# Altium PCB mantarray_beta_drv425_Mounting_Holes.PcbDoc (part 1 of 5)
Units mm, origin at the board's own origin, x right, y up, seen from the top; angles counter-clockwise.
Board outline 158.05 x 258 mm, 8 copper layers (Top Layer, GND1, Signal 1, GND2, DVDD, PWR, AVDD, GND3), stack 1.61 mm thick; 318 components, 274 nets, 1474 pads, 756 vias.
Unrouted connection lines stored in the file: 18.
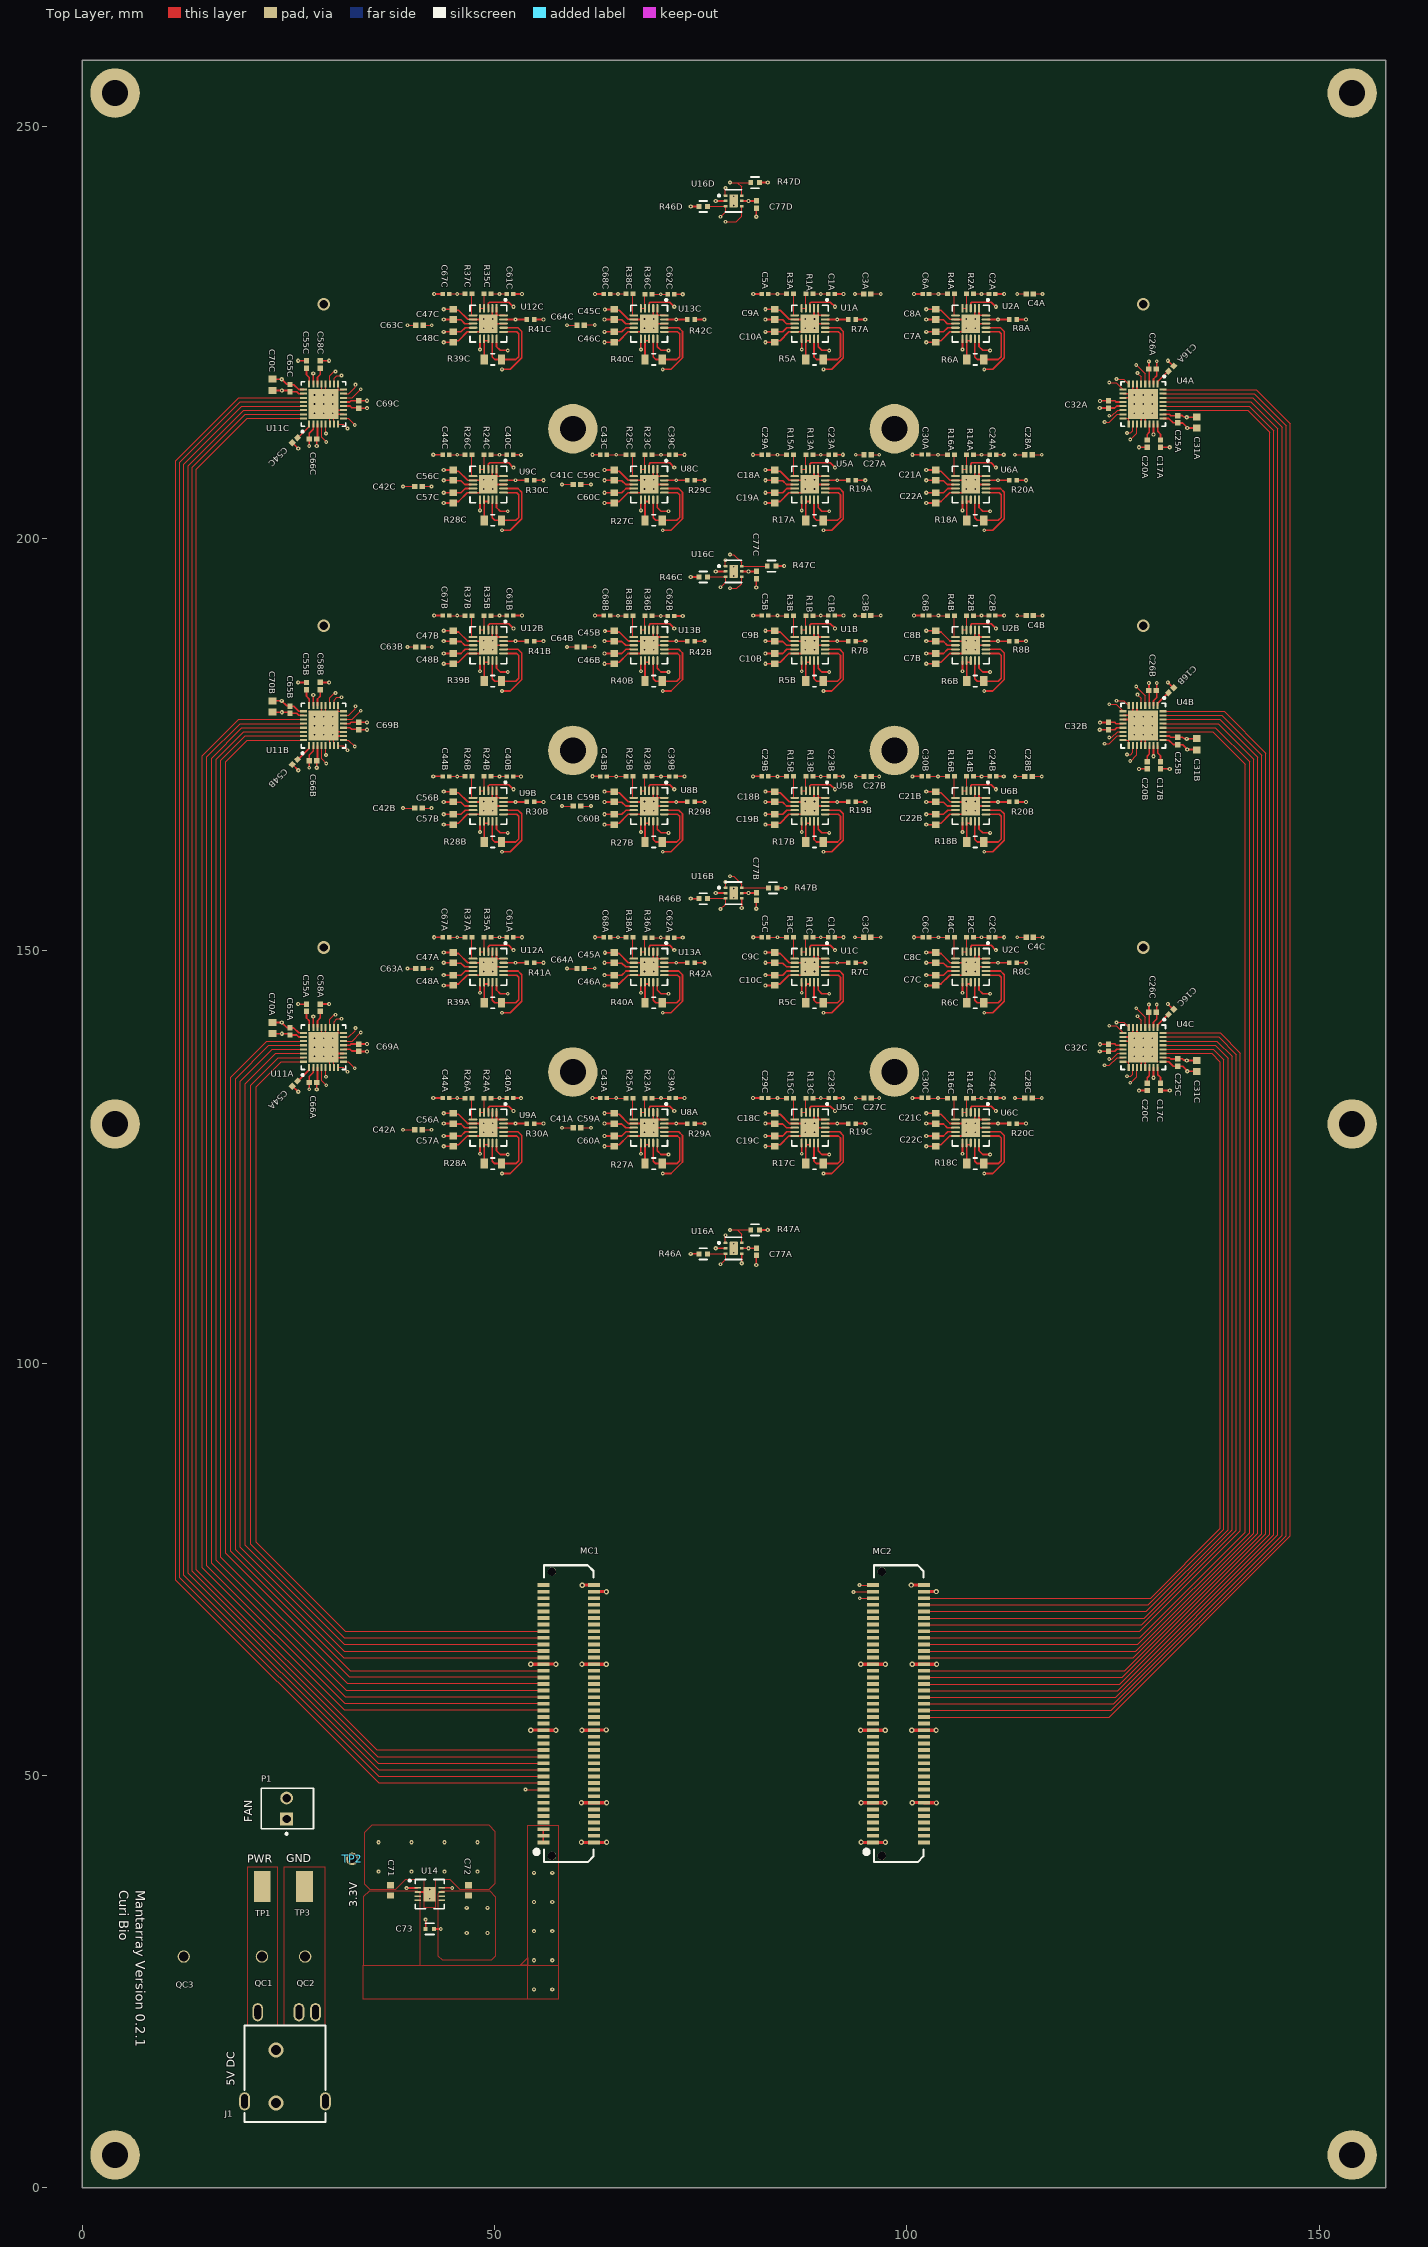
[diagram p0: Top Layer view]
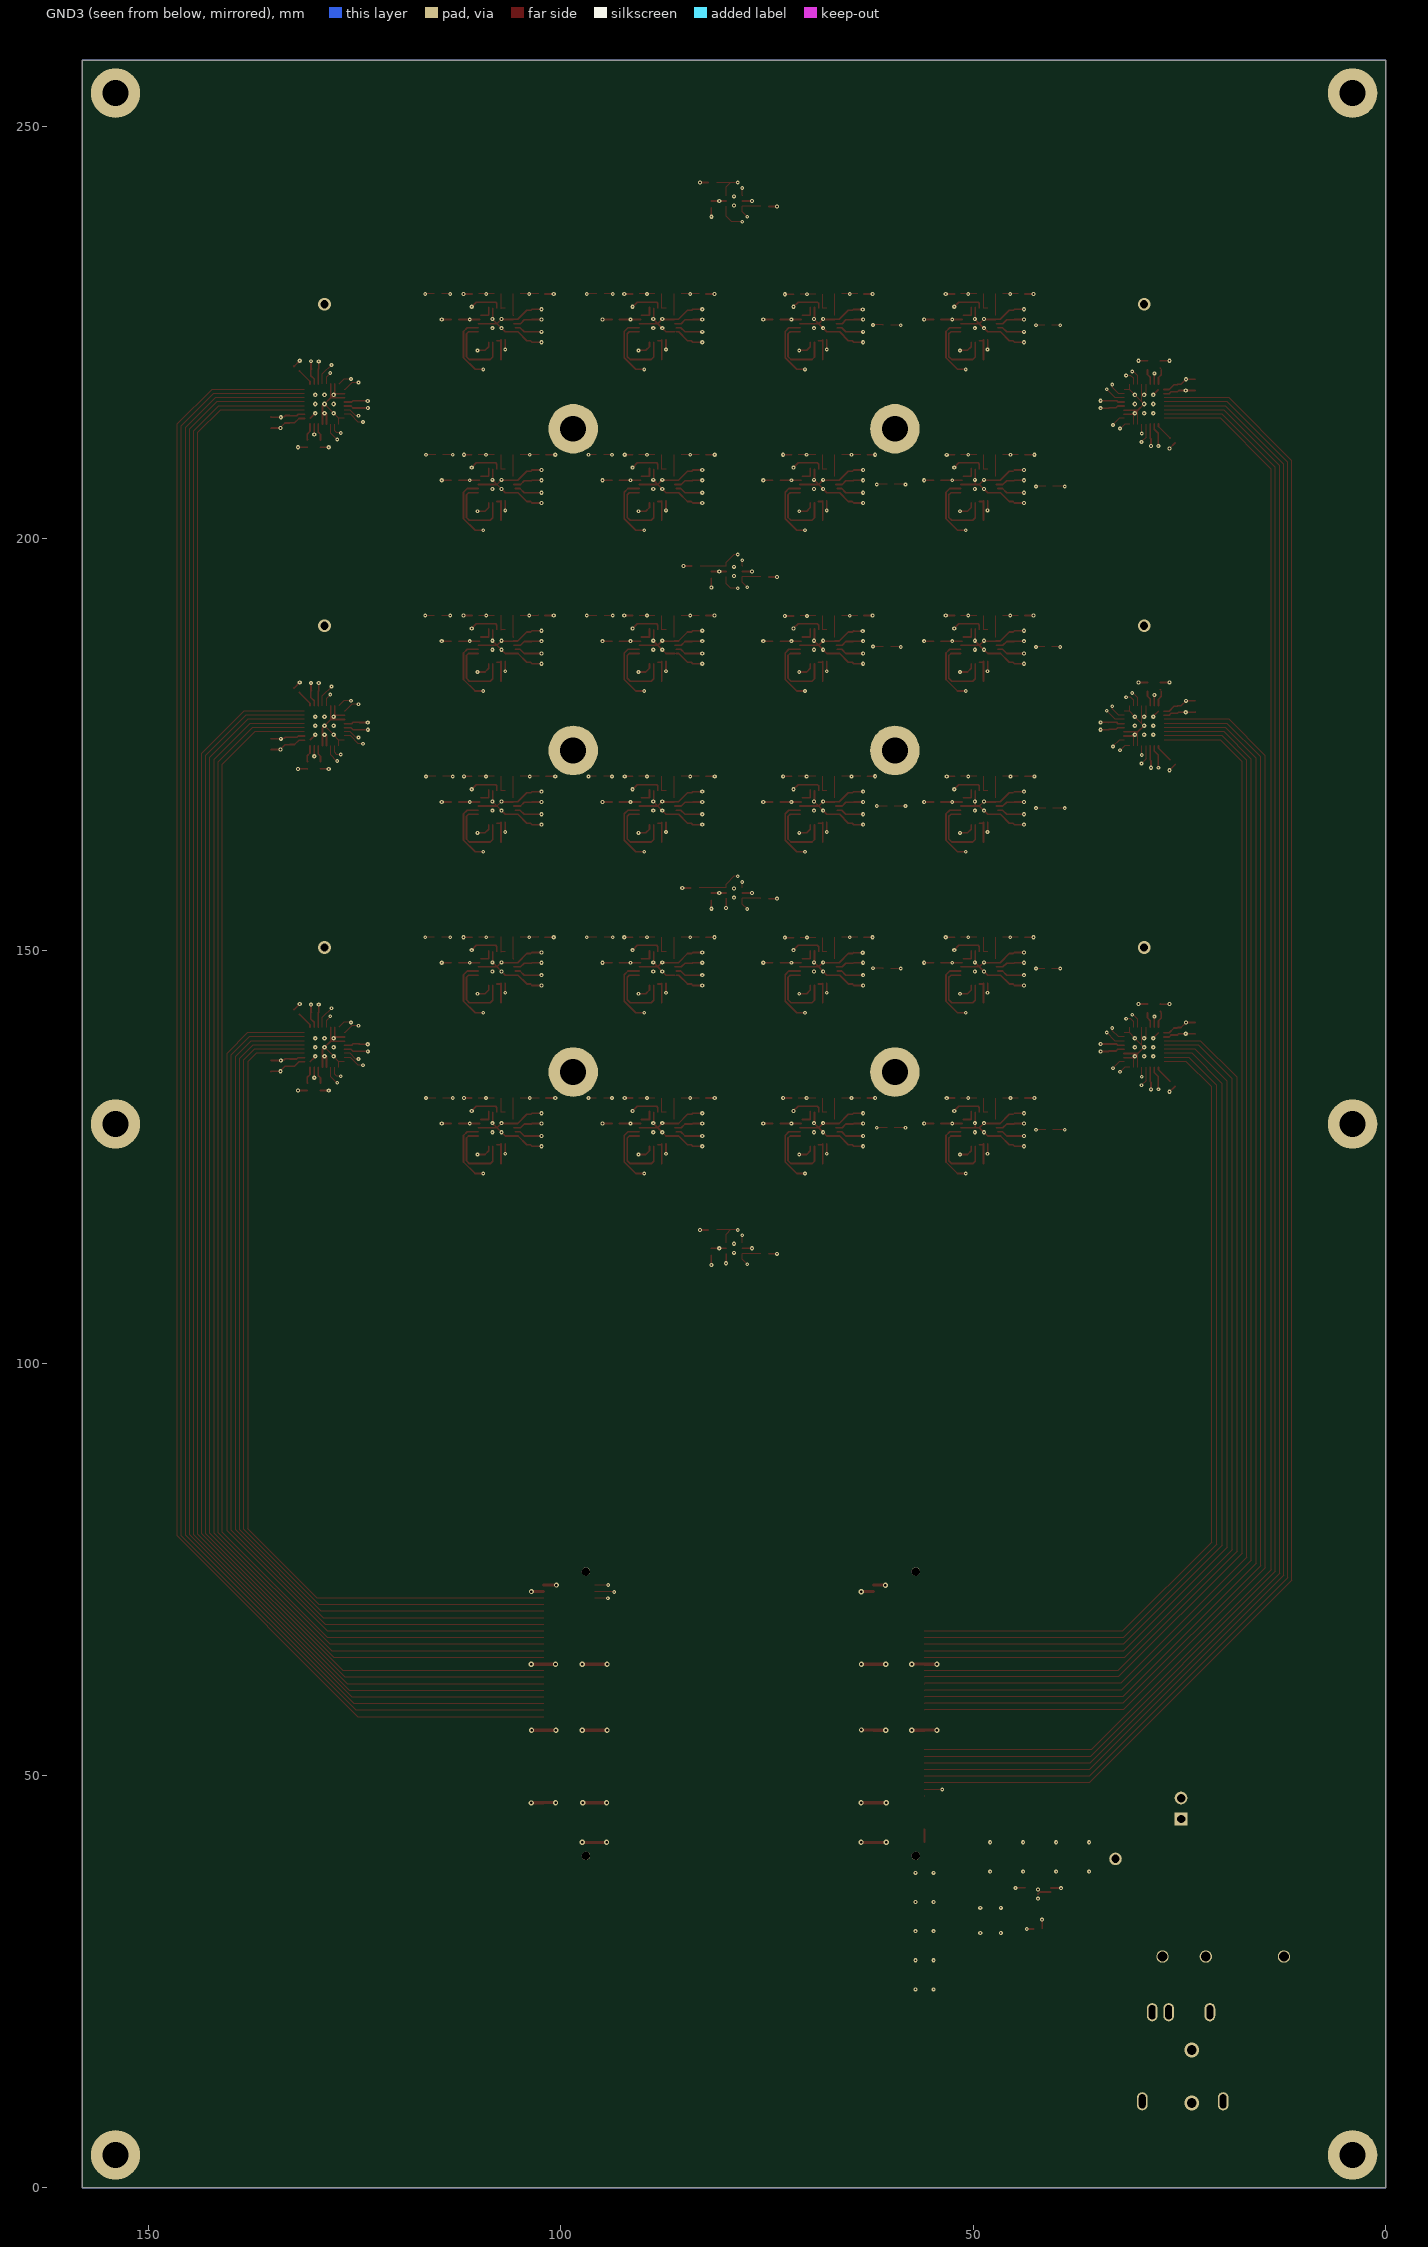
[diagram p1: GND3 view, seen from below]
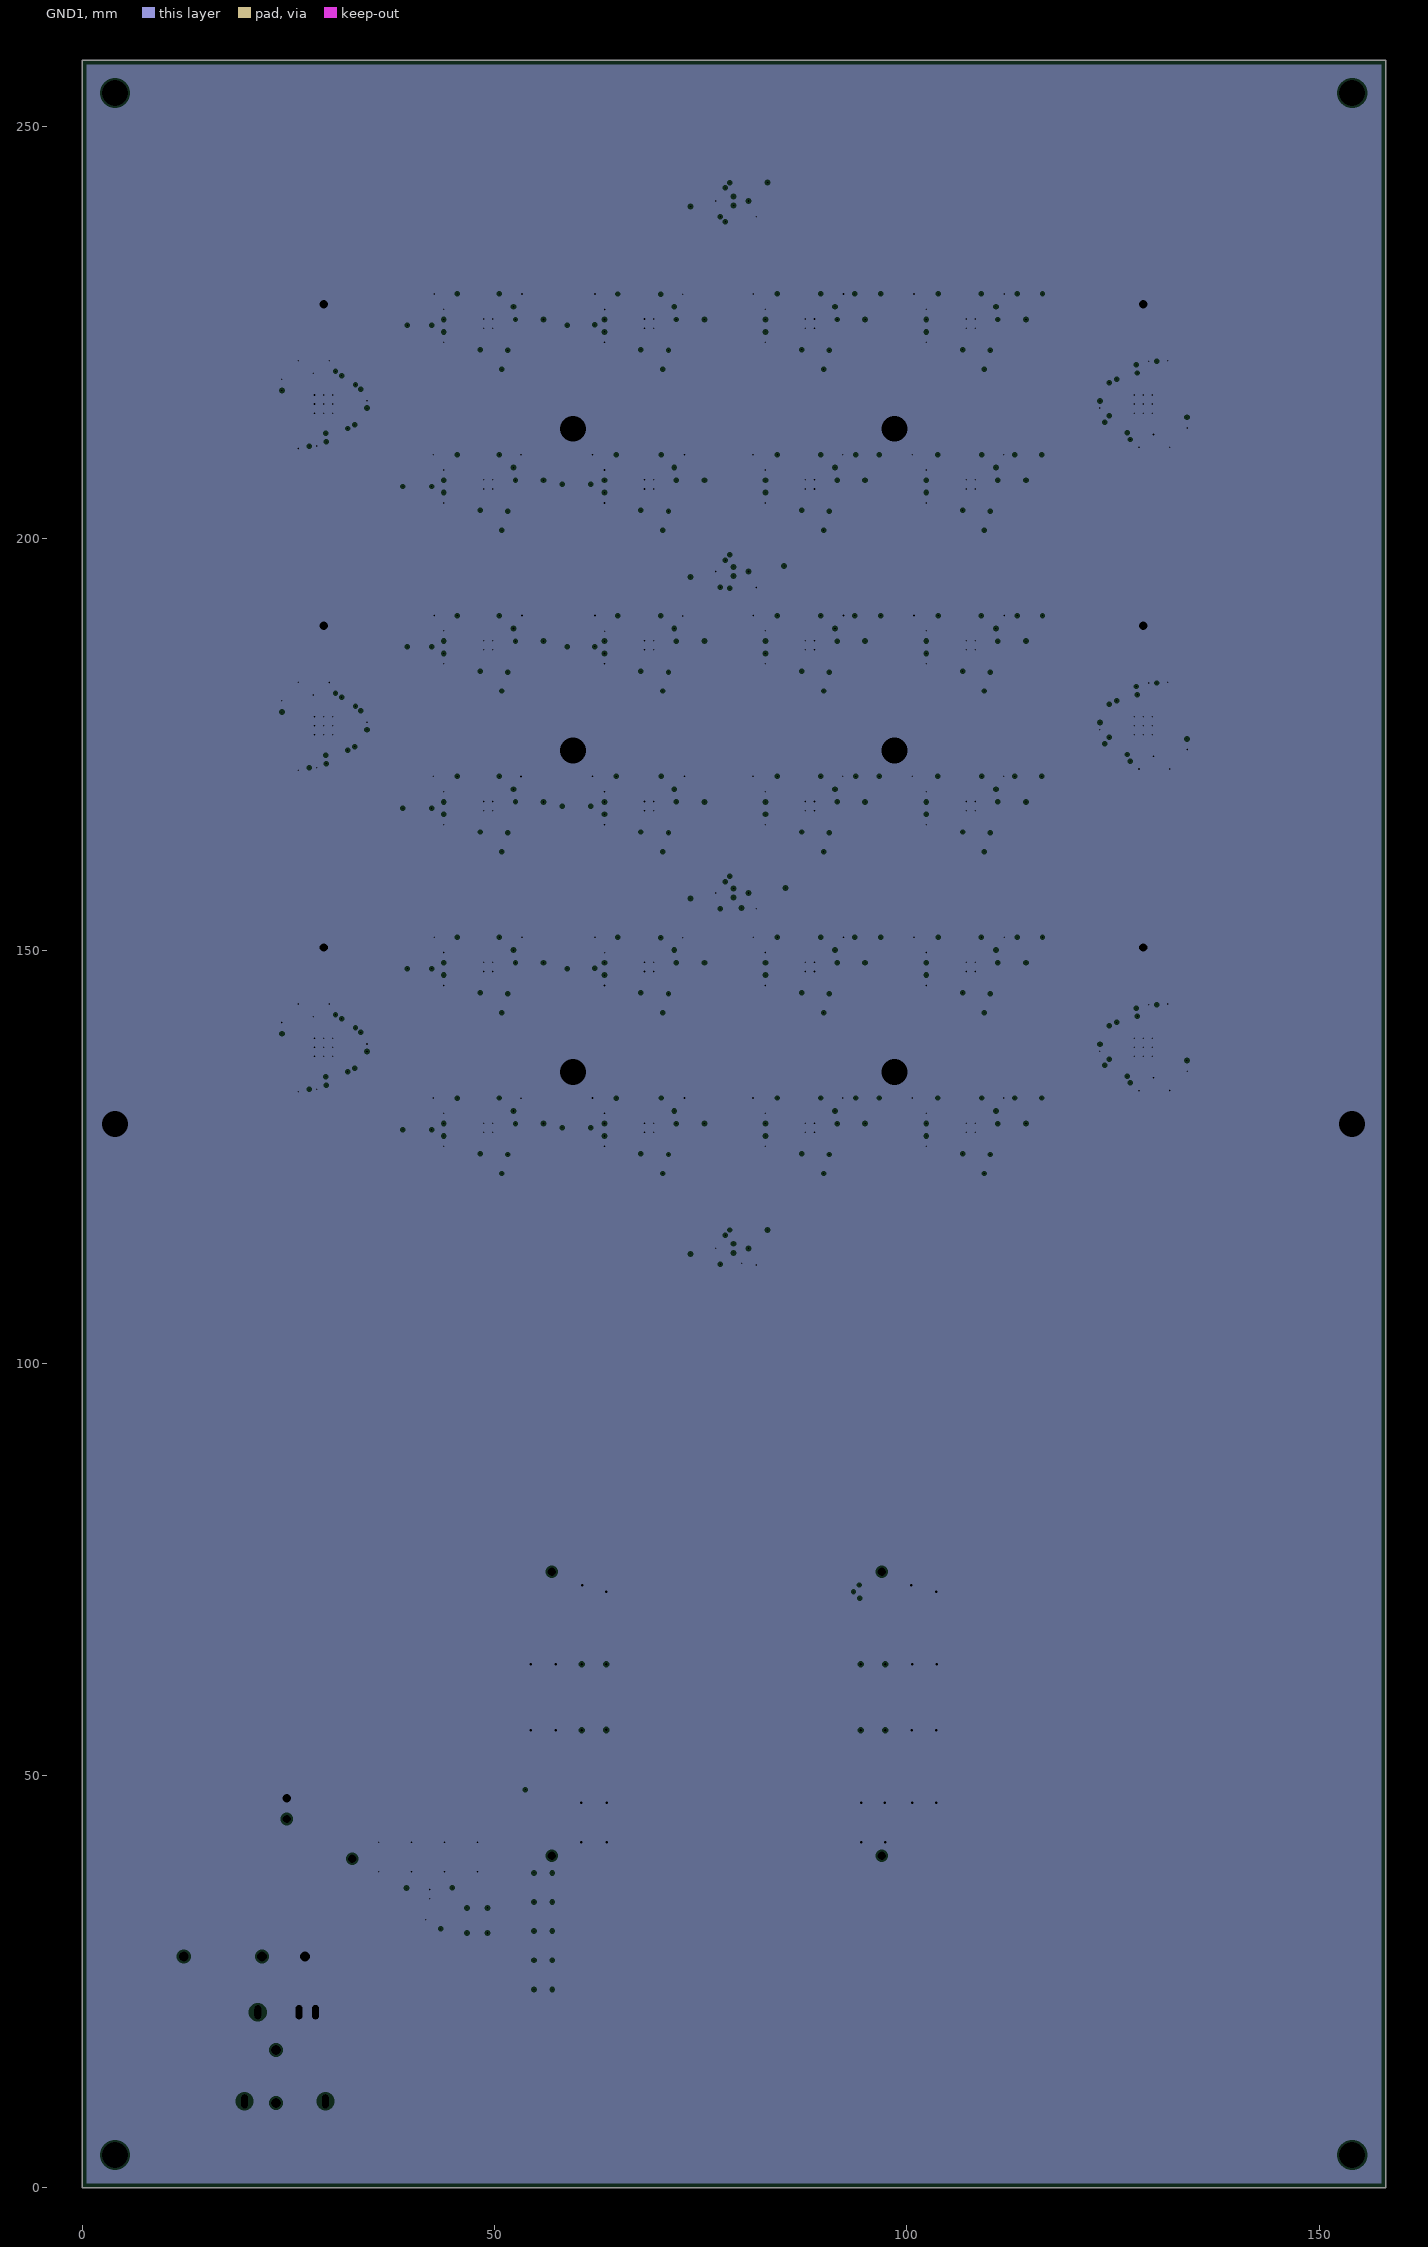
[diagram p2: GND1, clearances drawn from the general rule]
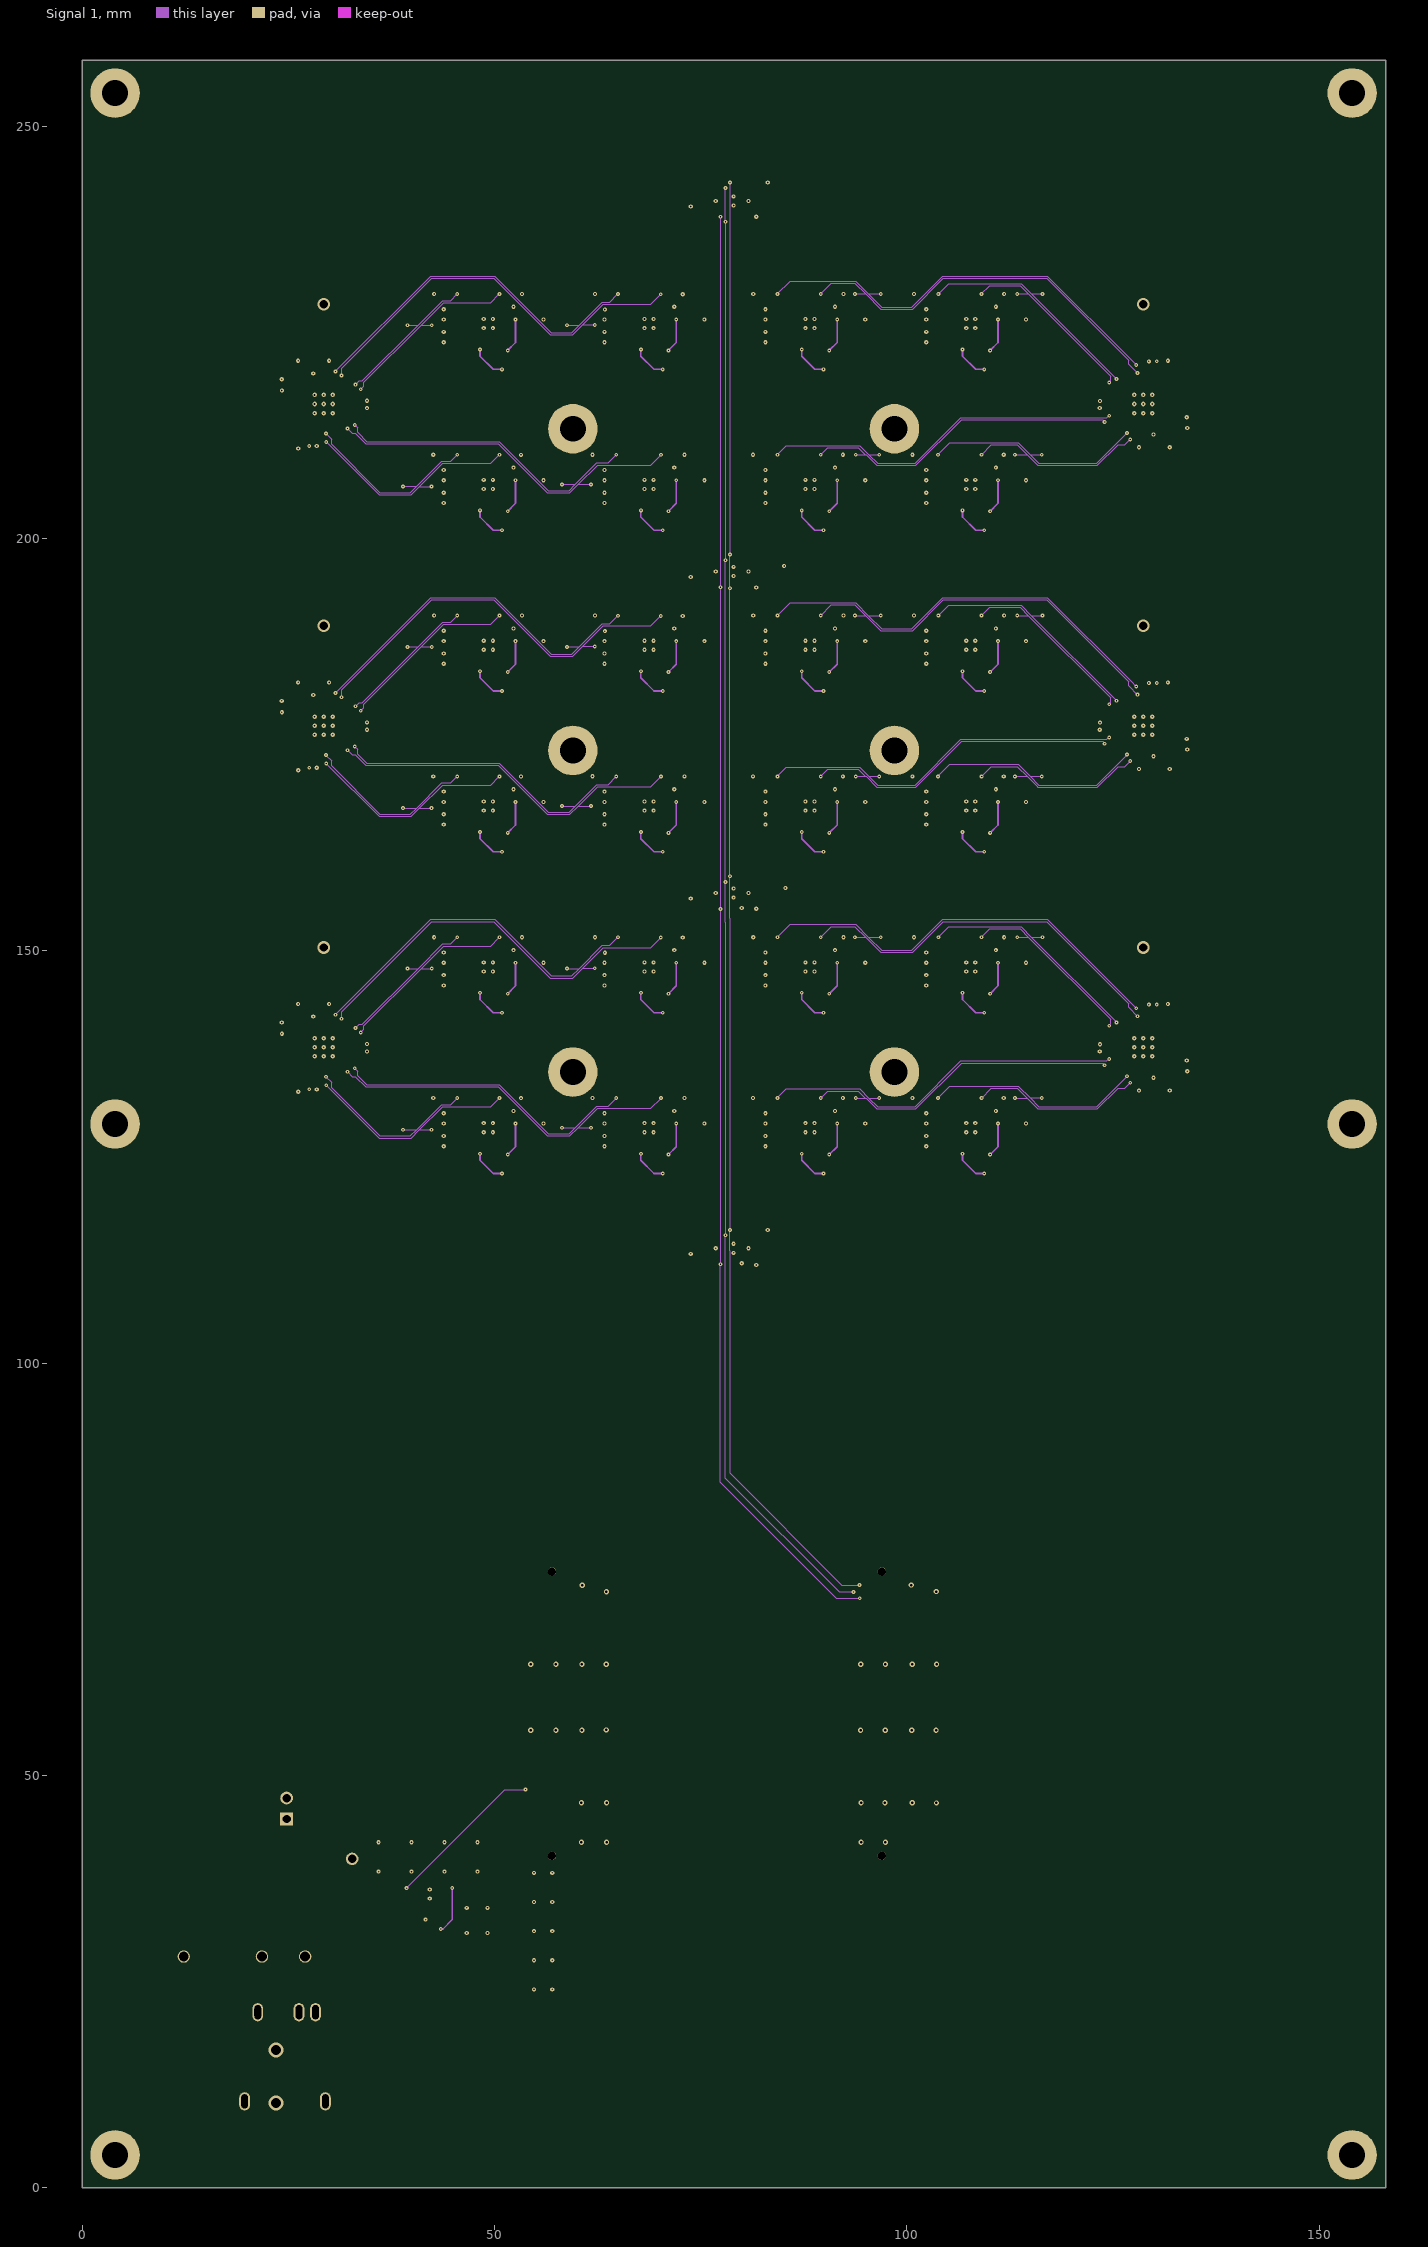
[diagram p3: Signal 1]